# Allegro board T736_DEMO_DBOARD_V0-5-draft.brd (continued)
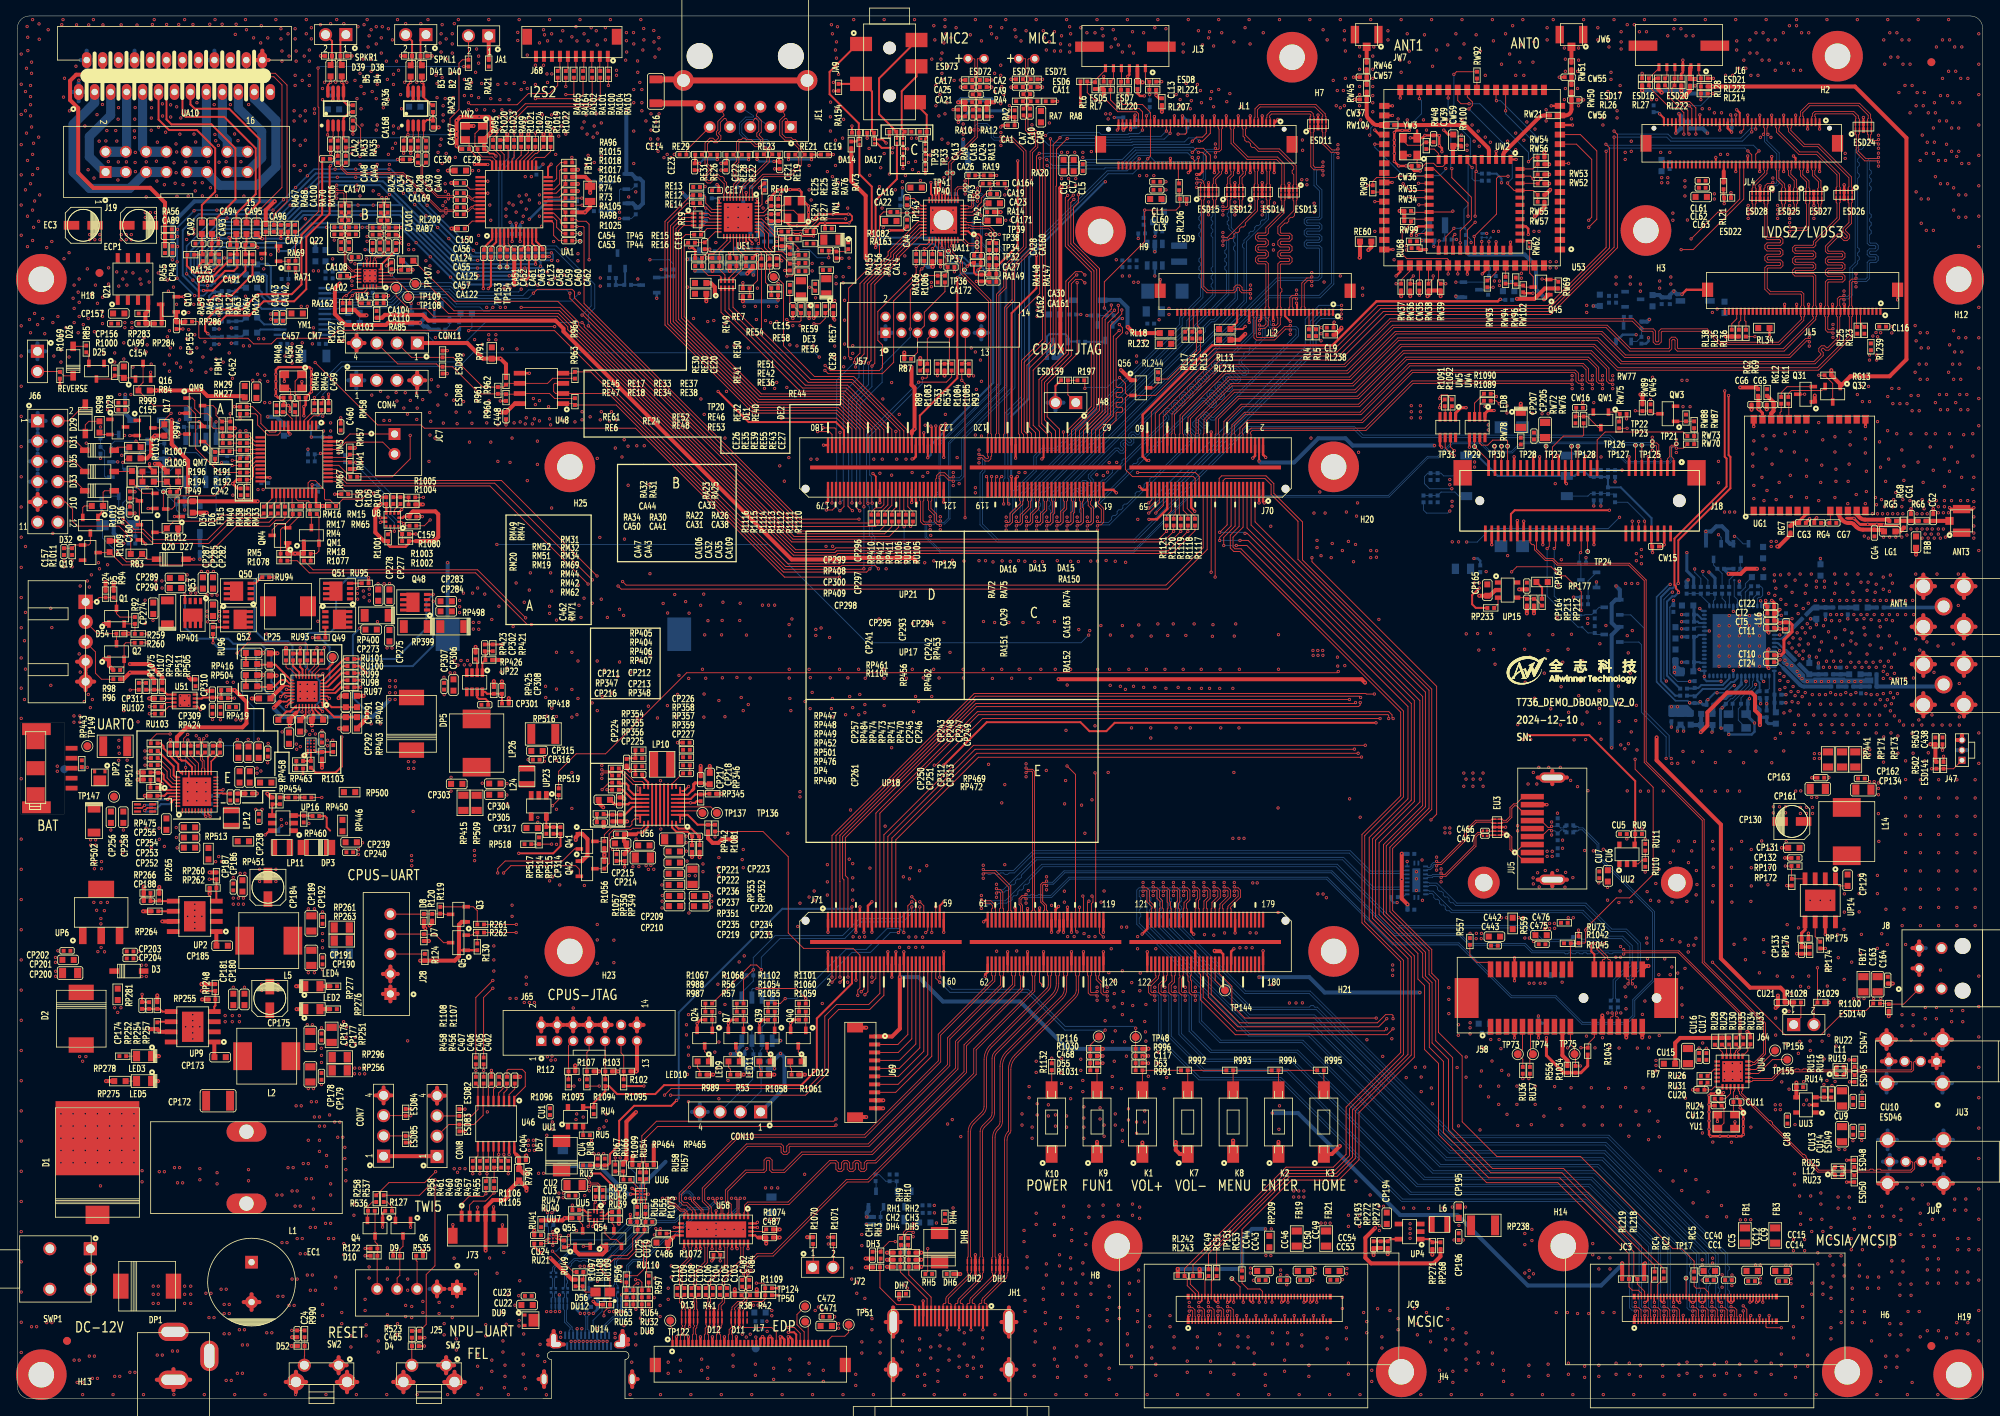
[diagram p0: board, top side]
## Routing (per net, layer and track width the routed paths; a pad name or vN(x,y) marks a point on that pad's centre or on a via; arc(x,y) is an arc through that point) (continued)
CPUS-TCK: length 4.8
  TOP w0.114: R1094.2 73.66,40.05 R103.1 73.63,41.05 J65.9
CPUS-TDO: length 5
  TOP w0.114: J65.11 75.63,43.33 75.96,43 R102.1 75.96,40.07 R1095.2
CPUS-TX: length 128.8
  TOP w0.114: R1077.2 37.04,103.89 57.65,103.89 v1(63.67,97.87) ; R261.2 v1(62.51,59.44) ; J71.8 v1(103.05,52.83)
  L3 w0.114: v1(103.05,52.83) 102.74,52.51 102.55,52.33 102.55,51.87 101.92,51.25 94.43,51.25 93.92,50.74 62.3,50.74 v1(61.72,50.16)
  L4 w0.114: v1(61.72,50.16) 61.89,50.33 61.89,58.81 v1(62.51,59.44) 63.67,60.6 63.67,74.87 65.12,76.32 65.12,81.3 63.67,82.75 v1(63.67,97.87)
CPUX-TCK: length 5.8
  TOP w0.114: R533.1 R534.1 R1084.2 116.76,130 J57.9
CPUX-TDI: length 11.3
  TOP w0.114: R87.1 112.76,131.13 J57.5 113.62,134.45 113.62,136.17 116.2,138.76 R1086.2
CPUX-TDO: length 5
  TOP w0.114: R93.1 R1085.2 118.76,130.15 J57.11
CPUX-TMS: length 5.4
  TOP w0.114: J57.7 114,132.83 R1083.2 113.95,129.71 R89.1
CS4361-MODE: length 29.8
  L3 w0.114: v1(48.12,136.79) 48.02,136.89 38.27,136.89 36.17,134.8 36.17,133.43 36.65,132.94 39.97,132.94 v1(40.25,132.66)
  BOTTOM w0.114: v1(48.12,136.79) 47.9,136.58 RL236.1 RL233.1 42.9,134.8 RL235.1 RL234.1 ; v1(40.25,132.66) 40.25,133.49 39.74,134 U57.9
CS4361-RST: length 30.2
  L3 w0.114: v1(40.84,132.66) 40.4,132.23 39.8,132.23 39.45,132.59 36.45,132.59 35.76,133.27 35.76,134.89 38.12,137.25 47.69,137.25 48.23,137.79 49.71,137.79 v1(50.24,137.26)
  BOTTOM w0.114: v1(40.84,132.66) 40.84,133.66 39.85,134.65 U57.8 ; Q47.3 51.82,137.12 51.53,136.82 RA145.1 50.68,136.82 v1(50.24,137.26)
CSN-VBUS: length 5.3
  TOP w0.203: UP21.1 38.22,86.91 38.39,86.73
  TOP w0.254: RP403.1 CP292.1 39.7,85.42 38.39,86.73
CSP-VBAT: length 22.5
  TOP w0.203: UP21.21 33.46,88.45 33.07,88.06 v1(32.97,87.99)
  L4 w0.305: v1(32.97,87.99) 31.88,87.99 31.17,88.7 28.98,88.7 25.22,92.46 20.47,92.46 16.99,95.94 v1(16.99,97.54)
CSP-VBUS: length 4.9
  TOP w0.203: UP21.2 38.56,87.65 38.79,87.43 38.79,87.25 39.01,87.02
  TOP w0.254: RP402.1 CP291.1 39.37,86.66 39.01,87.02
CTP0-INT: length 68.7
  TOP w0.114: v1(141.6,155.4) 141.95,155.74 JL1.63 141.95,161.2 140.94,162.21 138.53,162.21 138.26,162.48 RL220.1 ESD7.2 138.31,165.12 JL3.4 ; v1(124.21,112.14) 124.05,112.29 J70.109
  BOTTOM w0.114: v1(141.6,155.4) 139.74,153.53 136.64,153.53 126.18,143.06 126.18,125.45 124.09,123.37 124.09,115.35 124.21,115.24 v1(124.21,112.14)
CTP0-RST: length 66.4
  TOP w0.114: J70.111 v1(123.55,112.14) ; v1(141.86,163.45) 141.81,163.5 RL221.1 ESD8.2 141.31,165.57 JL3.1
  L4 w0.114: v1(141.86,163.45) 141.86,159.84 141.5,159.49 141.5,156.36 v1(140.54,155.4)
  BOTTOM w0.114: v1(140.54,155.4) 139.04,153.9 136.53,153.9 125.81,143.18 125.81,125.6 123.72,123.52 123.72,115.4 123.55,115.23 v1(123.55,112.14) ; RL40.2 v1(141.86,163.45)
CTP1-INT: length 180.2
  TOP w0.114: v1(210.27,158.5) JL4.63 210.27,161.79 209.5,162.56 208.28,162.56 207.26,163.57 207.26,164.25 RL222.1 ESD20.2 207.65,165.53 JL6.4 ; J71.29 108.55,70.67 119.77,81.89 v1(168.86,81.89)
  L4 w0.114: v1(168.86,81.89) 168.86,84.8 176.98,92.92 176.98,120.1 179.46,122.57 179.46,122.96 185.42,128.92 185.42,129.13 198.63,142.34 198.63,146.85 206.59,154.81 207.17,154.81 210.27,157.92 v1(210.27,158.5)
CTP1-RST: length 177
  TOP w0.114: v1(210.9,162.81) RL214.2 RL223.1 ESD21.2 210.9,165.78 210.65,166.03 JL6.1 ; v1(167.51,81.41) 167.48,81.39 119.98,81.39 109.05,70.46 J71.31
  L4 w0.114: v1(210.9,162.81) 197.49,149.4 197.49,143.43 179.61,125.55 179.61,124.56 178.43,123.38 178.43,123 175.95,120.52 175.95,93.35 167.51,84.9 v1(167.51,81.41)
CTP1-SCK: length 179.3
  TOP w0.114: v1(167.97,80.89) 120.19,80.89 109.55,70.26 J71.33 ; JL6.6 205.65,166.75 ESD17.2 RL26.1 204.39,164.42 207.01,161.8 208.15,161.8 208.77,161.18 JL4.69 v1(208.77,158.5)
  L4 w0.114: v1(208.77,158.5) 208.77,157.39 206.92,155.54 206.35,155.54 197.84,147.03 197.84,142.52 184.73,129.42 184.73,129.2 178.77,123.24 178.77,122.86 176.3,120.38 176.3,93.21 167.97,84.88 v1(167.97,80.89)
CTP1-SDA: length 178.2
  TOP w0.114: J71.35 110.05,70.05 120.4,80.39 168.36,80.39 v1(168.39,80.42) ; v1(209.42,158.5) 209.27,158.65 JL4.67 209.27,161.44 208.53,162.18 207.87,162.18 206.88,163.16 206.88,164.13 RL27.1 206.42,164.6 ESD16.2 206.65,165.72 JL6.5
  L4 w0.114: v1(209.42,158.5) 209.42,157.55 207.07,155.2 206.49,155.2 198.25,146.95 198.25,142.45 185.07,129.27 185.07,129.06 179.11,123.1 179.11,122.72 176.64,120.24 176.64,93.07 168.39,84.81 v1(168.39,80.42)
DCIN-12V: length 109.4
  TOP w0.508: RP275.2 v1(11.1,39.8) ; v1(130.81,151.89) 130.65,151.73 130.65,131.78 130.81,131.62 v1(130.81,131.32) ; R191.2 17.75,117.17 v1(17.22,117.17) ; RP248.2 v1(23.06,51.96) ; RP260.1 v1(24.08,65.96) ; RP345.1 v1(88.23,75.82)
  L3 w0.508: v1(88.23,75.82) 86.4,75.82 85.53,74.96 85.53,71.78 85.04,71.29 81.9,71.29 80.68,70.07 80.68,67.31 v1(79.72,66.35) ; v1(17.22,117.17) 17.22,118.59 16.71,119.1 14.88,119.1 14.22,119.76 v1(8.64,119.76)
  L4 w0.508: v1(175.69,50.9) 175.69,52.65 179.25,56.21 179.25,67.77 177.47,69.55 171.55,69.55 v1(168.22,72.87)
  BOTTOM w0.508: QL1.2 129.84,132.39 CL10.2 RL8.1 130.3,130.43 130.81,130.94 v1(130.81,131.32) ; v1(155.55,52.83) 161.85,52.83 163.78,50.9 v1(175.69,50.9)
  vias: v1(7.09,85.57) v1(7.09,84.79) v1(7.82,85.57) v1(7.82,84.79) v1(7.8,42.88) v1(8.18,42.29) v1(8.59,42.88) v1(9.65,67.31) v1(9.65,66.42) v1(10.54,67.31) v1(10.54,66.42) v1(13.46,134.87) v1(13.46,134.24) v1(14.35,134.87) v1(14.35,134.24) v1(26.04,48.01) v1(26.04,47.24) v1(26.92,48.01) v1(26.92,47.24) v1(27.05,62.74) v1(27.05,61.98) v1(27.69,62.74) v1(27.69,61.98) v1(27.81,48.01) v1(27.81,47.24) v1(28.32,62.74) v1(28.32,61.98) v1(48.98,79.84) v1(49,78.99) v1(49.7,79.82) v1(49.66,78.99) v1(78.77,66.8) v1(79.06,66.33) v1(79.36,66.83) v1(130.81,152.91) v1(131.7,152.91) v1(131.7,151.89) v1(132.59,152.91) v1(132.58,152.07) v1(174.62,124.46) v1(174.62,123.7) v1(174.62,122.94) v1(175.77,124.46) v1(175.77,123.7) v1(175.77,122.94) v1(181.2,78.41) v1(181.2,76.76) v1(181.48,77.65) v1(182.35,78.41) v1(182.35,76.76) v1(182.37,77.65) v1(183.26,77.65) v1(183.62,78.41) v1(183.62,76.76) v1(185.93,60.27) v1(186.54,60.27) v1(188.06,60.3) v1(188.65,60.3) v1(205.99,153.03) v1(205.99,152.4) v1(206.76,153.03) v1(206.76,152.4) v1(223.37,74.11) v1(223.37,73.35) v1(224.13,74.11) v1(224.13,73.35) v1(224.89,74.11) v1(224.89,73.35)
DP-AUXN-1: length 8.8
  TOP w0.102: JL7.16 89.57,8 89.47,8.1 89.47,8.52 89.83,8.88 89.83,9.15 89.92,9.25 D11.2 D11.9 89.92,11.1 89.83,11.2 89.83,11.34 90.37,11.89 90.98,11.89 91.4,12.31 91.4,12.58 R38.1 91.4,13.33 91.4,13.74 C484.2
DP-AUXN-C: length 95.6
  TOP w0.102: J71.86 127.55,53.08 127.46,52.98 127.46,51.05 120.12,43.71 120.12,40.64 106.63,27.15 103.97,27.15 94.69,17.87 92.77,17.87 91.4,16.5 91.4,15.79 v1(91.53,15.67) 91.4,15.54 91.4,15.17 C484.1
  L3 w0.102: v1(66.42,23.31) 66.56,23.17 66.56,22.01 64.9,20.35 64.9,15.43 66.79,13.54 79.68,13.54 80.52,14.38 90.87,14.38 91.39,14.9 91.39,15.53 v1(91.53,15.67)
  BOTTOM w0.102: C225.1 66.55,22.93 66.55,23.18 v1(66.42,23.31)
DP-AUXN-C-1: length 30.5
  TOP w0.114: UU7.A3 UU7.B3 v1(67.08,19.2) ; v1(77.44,14.91) 77.9,14.91 78.24,14.57 RU64.2 RU32.1 DU8.2 v1(78.24,11.2)
  L3 w0.114: v1(77.44,14.91) 77.04,15.32 70.36,15.32 68.45,17.22 68.45,18.14 67.39,19.2 v1(67.08,19.2)
  L4 w0.114: v1(72.38,7.18) 72.38,7.53 71.88,8.03 71.88,8.76 72.87,9.75 76.79,9.75 v1(78.24,11.2)
  BOTTOM w0.112: v1(72.38,7.18) JU2.B8
  BOTTOM w0.114: C225.2 66.52,21.5 66.52,20.68 67.08,20.12 v1(67.08,19.2)
DP-AUXP-1: length 8.8
  TOP w0.102: JL7.15 89.07,8 89.17,8.1 89.17,8.65 89.52,9 89.52,9.15 89.42,9.25 D11.1 D11.10 89.42,11.1 89.52,11.2 89.52,11.47 90.25,12.19 90.85,12.19 91.1,12.43 91.1,12.58 R41.2 91.1,13.33 91.1,13.74 C482.2
DP-AUXP-C: length 95.5
  TOP w0.102: J71.84 127.05,53.08 127.15,52.98 127.15,51.18 119.81,43.84 119.81,40.77 106.5,27.46 103.85,27.46 94.56,18.17 92.65,18.17 91.1,16.62 91.1,15.79 v1(90.97,15.67) 91.1,15.54 91.1,15.17 C482.1
  L3 w0.102: v1(90.97,15.67) 91.11,15.53 91.11,15.01 90.75,14.66 86.85,14.66 86.67,14.83 86.37,14.83 86.19,14.66 85.5,14.66 85.33,14.83 85.02,14.83 84.85,14.66 83.99,14.66 83.82,14.83 83.51,14.83 83.34,14.66 80.4,14.66 79.56,13.82 71.22,13.82 71.04,13.99 70.74,13.99 70.56,13.82 70.23,13.82 70.06,13.99 69.75,13.99 69.58,13.82 69.27,13.82 69.1,13.99 68.79,13.99 68.62,13.82 66.9,13.82 65.18,15.54 65.18,20.23 66.84,21.89 66.84,23.17 v1(66.98,23.31)
  BOTTOM w0.102: v1(66.98,23.31) 66.85,23.18 66.85,22.93 C224.1
DP-AUXP-C-1: length 30.1
  TOP w0.114: v1(77.5,11.2) 77.16,11.54 DU14.2 77.16,12.22 RU65.1 RU63.2 77.16,14.09 77.52,14.45 v1(77.72,14.45) ; UU7.A1 UU7.B1 v1(67.08,20.93)
  L3 w0.114: v1(77.72,14.45) 77.99,14.71 77.99,15.18 77.5,15.67 70.56,15.67 68.81,17.42 68.81,18.36 67.08,20.09 v1(67.08,20.93)
  L4 w0.114: v1(70.71,8.76) 70.82,8.76 72.95,10.9 73.56,10.9 74.24,10.21 76.5,10.21 v1(77.5,11.2)
  BOTTOM w0.114: C224.2 66.87,21.48 66.87,21.15 v1(67.08,20.93) ; JU2.A8 70.63,8.68 v1(70.71,8.76)
DP-TX0N-1: length 6.6
  TOP w0.102: JL7.12 87.57,8 87.67,8.1 87.67,8.83 87.86,9.02 87.86,9.17 87.76,9.26 D12.9 D12.2 87.76,11.12 87.86,11.21 87.86,11.74 88.3,12.18 88.3,12.72 C105.2
DP-TX0P-1: length 6.6
  TOP w0.102: JL7.13 88.07,8 87.97,8.1 87.97,8.7 88.17,8.9 88.17,9.17 88.27,9.26 D12.10 D12.1 88.27,11.12 88.17,11.21 88.17,11.61 88.61,12.05 88.61,12.72 C103.2
DP-TX1N-1: length 6.5
  TOP w0.102: JL7.9 86.07,8 86.17,8.1 86.17,8.83 86.36,9.02 86.36,9.17 86.27,9.26 D12.6 D12.5 86.27,11.12 86.36,11.21 86.36,12.02 86.53,12.18 86.53,12.72 C106.2
DP-TX1P-1: length 6.5
  TOP w0.102: C104.2 86.83,12.72 86.83,12.05 86.67,11.89 86.67,11.21 86.76,11.12 D12.4 D12.7 86.76,9.26 86.67,9.17 86.67,8.9 86.47,8.7 86.47,8.1 86.57,8 JL7.10
DP-TX2N-1: length 6.4
  TOP w0.102: C108.2 84.75,12.72 84.75,12.05 84.81,11.98 84.81,11.21 84.72,11.12 D13.2 D13.9 84.72,9.26 84.81,9.17 84.81,9.02 84.67,8.88 84.67,8.1 84.57,8 JL7.6
DP-TX2P-1: length 6.4
  TOP w0.102: JL7.7 85.07,8 84.97,8.1 84.97,8.75 85.12,8.9 85.12,9.17 85.22,9.26 D13.10 D13.1 85.22,11.12 85.12,11.21 85.12,12.11 85.05,12.18 85.05,12.72 C107.2
DP-TX3N-1: length 6.5
  TOP w0.102: JL7.3 83.07,8 83.17,8.1 83.17,8.88 83.31,9.02 83.31,9.17 83.22,9.26 D13.6 D13.5 83.22,11.12 83.31,11.21 83.31,11.68 82.97,12.03 82.97,12.72 C110.2
DP-TX3P-1: length 6.5
  TOP w0.102: C109.2 83.27,12.72 83.27,12.15 83.62,11.81 83.62,11.21 83.72,11.12 D13.4 D13.7 83.72,9.26 83.62,9.17 83.62,8.9 83.47,8.75 83.47,8.1 83.57,8 JL7.4
DRV: length 1.5
  TOP w0.114: UU4.21 212.55,41.26 RU26.2
DSP-OUTLF: length 50.8
  TOP w0.254: RA59.1 22.81,142.15 22.81,141.99 v1(22.58,141.76) ; CA58.2 63.07,143.11 63.07,141.29 v1(63.14,141.22)
  BOTTOM w0.254: v1(63.14,141.22) 55.75,141.22 48.13,148.84 35.64,148.84 33.38,146.58 25.66,146.58 22.58,143.5 v1(22.58,141.76)
DSP-OUTLR: length 50.3
  TOP w0.254: v1(63.14,140.26) 63.8,140.26 64.08,140.54 64.08,143.12 CA59.2 ; v1(23.52,141.84) RA61.1
  BOTTOM w0.254: v1(63.14,140.26) 55.32,140.26 48.26,147.32 36.88,147.32 34.42,144.86 25.35,144.86 23.52,143.02 v1(23.52,141.84)
DSP-OUTRF: length 70.5
  TOP w0.254: v1(66.62,143.15) 65.84,143.15 CA62.2 ; v1(23.32,138.89) 24.46,138.89 26.06,140.49 27.69,140.49 28.57,141.38 RA64.1
  BOTTOM w0.254: v1(23.32,138.89) 22.62,138.89 20.72,140.79 20.72,146.46 22.71,148.45 32.27,148.45 37.39,153.57 46.63,153.57 57.05,143.15 v1(66.62,143.15)
DSP-OUTRR: length 62.6
  TOP w0.254: v1(23.32,140.03) 24.71,140.03 26.03,141.35 27.11,141.35 27.56,141.8 RA63.1 ; v1(64.92,142.19) 64.91,142.2 CA60.2
  BOTTOM w0.254: v1(23.32,140.03) 22.91,140.03 21.71,141.23 21.71,143.86 25.34,147.49 32.88,147.49 37.97,152.58 45.81,152.58 56.2,142.19 v1(64.92,142.19)
DSP-SCK: length 6.4
  TOP w0.114: R74.2 v1(70.71,150.47)
  L3 w0.114: v1(73.03,151.89) 73.03,151.26 72.24,150.47 v1(70.71,150.47)
  BOTTOM w0.114: Q25.3 73.09,152.55 R72.1 73.07,151.94 v1(73.03,151.89)
DSP-SDA: length 5.6
  TOP w0.114: R73.2 v1(70.74,149.58)
  L3 w0.114: v1(73.11,149.48) 73.01,149.58 v1(70.74,149.58)
  BOTTOM w0.114: v1(73.11,149.48) 73.07,149.44 R71.1 74.31,148.84 Q26.3
DSP-XTI: length 7.2
  TOP w0.114: UA1.35 59.98,155.13 59.5,155.63 58.23,155.64 57.64,156.25 CE29.2 57.64,156.76 57.31,157.1 57.33,158.16 57.33,158.55 YN2.1
DSP-XTO: length 5.4
  TOP w0.114: YN2.3 56.59,157.28 CE30.2 57.2,156.01 57.2,155.98 57.86,155.29 59.22,155.27 59.48,155 UA1.36
EDP-HPD: length 72.6
  TOP w0.114: JL7.27 95.07,8.36 94.51,8.92 91.04,8.92 90.93,9.03 D11.4 D11.7 90.93,11.04 92.05,12.17 93.34,12.17 93.68,12.5 R42.2 R1109.1 93.68,14.27 93.47,14.48 v1(92.58,14.48) ; v1(128.45,51.82) 128.05,52.21 J71.88
  L3 w0.114: v1(128.45,51.82) 123.39,46.76 123.39,44.63 103.33,24.56 103.33,19.41 101.83,17.91 97.51,17.91 94.08,14.48 v1(92.58,14.48)
EDP-SEL: length 20.5
  TOP w0.114: v1(101.6,19.39) R1071.2 102.23,16.54 J72.2 ; v1(88.05,17.27) R1072.2 87.53,18.56 U58.30
  L3 w0.114: v1(101.6,19.39) 97.69,19.39 95.57,17.27 v1(88.05,17.27)
EDP-TX0N: length 6.8
  TOP w0.102: U58.36 90.53,19.06 90.63,18.96 90.63,17.39 88.3,15.06 88.3,14.15 C105.1
EDP-TX0P: length 6.8
  TOP w0.102: U58.37 91.03,19.06 90.93,18.96 90.93,17.26 88.61,14.94 88.61,14.15 C103.1
EDP-TX1N: length 6.7
  TOP w0.102: C106.1 86.53,14.15 86.53,14.71 88.63,16.81 88.63,18.96 88.53,19.06 U58.32
EDP-TX1P: length 6.7
  TOP w0.102: C104.1 86.83,14.15 86.83,14.58 88.93,16.68 88.93,18.96 89.03,19.06 U58.33
EDP-TX2N: length 6.4
  TOP w0.102: U58.27 86.03,19.06 86.13,18.96 86.13,17.17 84.75,15.79 84.75,14.15 C108.1
EDP-TX2P: length 6.4
  TOP w0.102: U58.28 86.53,19.06 86.43,18.96 86.43,17.04 85.05,15.66 85.05,14.15 C107.1
EDP-TX3N: length 6.3
  TOP w0.102: C110.1 82.97,14.15 82.97,16.55 84.13,17.71 84.13,18.96 84.03,19.06 U58.23
EDP-TX3P: length 6.3
  TOP w0.102: U58.24 84.53,19.06 84.43,18.96 84.43,17.58 83.27,16.42 83.27,14.15 C109.1
EPHY-CLK-25M: length 41.4
  TOP w0.114: v1(95.71,122.89) 102.64,122.89 104.05,121.47 J70.170 ; v1(95.63,151) 95.33,150.7 RE25.1
  L4 w0.114: v1(95.63,151) 95.5,150.88 95.5,146.18 96.01,145.67 96.01,144.53 94.23,142.75 94.23,141.43 95.76,139.91 95.76,122.94 v1(95.71,122.89)
EXT-3V3: length 48.9
  TOP w0.305: 49.9,107.49 R1002.1 49.05,107.19 48.64,106.78 46.67,106.78 46.44,107.01 R1001.1 ; U8.7 46.23,112.13 C158.2 v1(45.52,112.14) ; C159.2 48.41,110.55 48.26,110.4 U8.3
  TOP w0.508: C159.2 49.13,110.78 49.56,111.21 52.37,111.21 52.73,110.85 52.73,107.99 52.22,107.49 49.9,107.49 ; v1(45.52,112.14) 44.84,111.47 44.84,108.57 45.93,107.49 R1001.1 ; D36.2 21.96,112.46 FB15.2 v1(30.1,112.47)
  L4 w0.508: v1(45.52,112.14) 45.16,112.5 35.69,112.5 35.66,112.47 v1(30.1,112.47)
FM-DSP-L: length 2.5
  TOP w0.254: UA1.1 59.49,146.09 59.49,145.31 58.98,144.8 58.43,144.24 CA51.2
FM-DSP-R: length 2.4
  TOP w0.254: CA52.2 59.32,144.28 59.99,144.96 59.99,145.3 59.99,146.09 UA1.2
FM-OUT-L: length 215.2
  TOP w0.254: v1(208.07,102.18) 208.07,107.58 214.6,114.11 214.6,118.03 214.37,118.27 v1(214.37,125.73) ; v1(58.37,139.13) 58.37,143.07 CA51.1
  L3 w0.254: v1(214.37,125.73) 213.41,125.73 204.9,134.24 180.77,134.24 178,131.47 172.75,131.47 169.39,128.11 139.83,128.11 139.01,128.93 139.01,130.63 138.18,131.47 131.34,131.47 131.01,131.8 130.21,131.8 125.48,136.53 108.37,136.53 107.76,135.92 80.51,135.92 78.91,137.52 59.92,137.52 58.37,139.07 v1(58.37,139.13)
  BOTTOM w0.254: v1(208.07,102.18) 207.97,102.18 207.36,101.57 207.01,101.57 205.89,100.46 205.89,89.92 207.69,88.11 RT2.2
FM-OUT-R: length 214.2
  TOP w0.254: v1(208.1,101.04) 208.1,101.22 207.77,101.55 207.77,101.8 207.59,101.98 207.59,107.79 214.12,114.32 214.12,117.83 213.89,118.07 v1(213.89,126.31) ; v1(58.99,139.13) 59.33,139.47 CA52.1
  L3 w0.254: v1(58.99,139.13) 60.07,138.05 79.25,138.05 80.9,136.4 107.56,136.4 108.17,137.01 125.71,137.01 130.43,132.28 131.21,132.28 131.54,131.95 138.38,131.95 139.5,130.83 139.5,129.13 140.03,128.6 169.19,128.6 172.55,131.95 177.8,131.95 180.6,134.75 207.9,134.75 213.89,128.75 v1(213.89,126.31)
  BOTTOM w0.254: RT1.2 208.28,89 206.65,90.63 206.65,99.9 207.31,100.56 207.62,100.56 v1(208.1,101.04)
FM-SCK: length 4.1
  BOTTOM w0.114: RT3.2 214.45,102.62 RT7.1 215.84,105.11 Q27.3
FM-SDA: length 3.9
  BOTTOM w0.114: RT4.2 213.56,103.41 RT8.1 212.5,104.48 Q28.3
GATEB: length 21.5
  TOP w0.254: Q48.4 v1(52.09,100.8) ; RU99.2 v1(43,90.93) ; RU97.2 v1(43,89.15) ; RU101.2 v1(43,92.71)
  BOTTOM w0.254: v1(52.09,100.8) 51.23,99.94 51.23,96.56 47.39,92.71 v1(43,92.71) v1(43,90.93) 42.52,90.45 42.52,89.64 v1(43,89.15)
GPADC3: length 13.5
  TOP w0.114: J69.2 110.3,44.39 111.55,45.64 J71.42
GPADC4: length 14.7
  TOP w0.114: J71.44 112.05,45.1 110.35,43.39 J69.3
GPADC5: length 16
  TOP w0.114: J71.46 112.55,44.46 110.49,42.39 J69.4
GPADC6: length 17.2
  TOP w0.114: J69.5 110.48,41.39 113.05,43.97 J71.48
GPADC7: length 18.3
  TOP w0.114: J71.50 113.55,43.55 110.4,40.39 J69.6
GPADC8: length 19.5
  TOP w0.114: J71.52 114.05,43.12 110.33,39.39 J69.7
GPADC9: length 20.6
  TOP w0.114: J69.8 110.03,38.39 114.55,42.91 J71.54
GPIOA8-RX: length 1.7
  TOP w0.114: UW2.30 v1(184.35,145.01)
  BOTTOM w0.114: v1(184.35,145.01) 184.35,145.31 T115.1
GPIOA9-TX: length 2.2
  TOP w0.114: UW2.29 v1(183.45,145.02)
  BOTTOM w0.114: T112.1 184.07,145.55 RW33.1 183.44,145.03 v1(183.45,145.02)
GPS-RESETN: length 2.6
  TOP w0.114: RG4.1 CG7.1 227.12,109.87 UG1.8
GPS-RXD0: length 5.5
  TOP w0.114: Q32.2 226.47,126.77 226.06,126.36 222.25,126.36 221.85,125.97 RG11.1
GPS-TXD0: length 4.9
  TOP w0.114: Q31.2 221.71,126.84 220.96,126.1 RG12.1
GSENSOR-INT1: length 1.5
  TOP w0.114: U8.5 47.22,111.37 R104.1
GSENSOR-INT2: length 1.3
  TOP w0.114: R105.1 46.73,111.77 U8.6
HBIAS: length 32.8
  TOP w0.254: v1(117.75,140.51) 117.75,127.91 113.05,123.21 J70.134 ; UA11.2 119.1,146.33 119.48,145.95 120.42,145.95 120.75,145.62 120.75,143.31 CA27.1 RA149.2 120.69,141.8 v1(120.35,141.45)
  BOTTOM w0.254: v1(117.75,140.51) 118.29,141.05 119.94,141.05 v1(120.35,141.45)
HCEC: length 58.5
  TOP w0.102: v1(114.05,18.8) 114.05,15.92 RH5.1 ; v1(136.53,50.47) 136.41,50.6 136.02,50.6 135.74,50.88 135.74,51.92 135.15,52.5 135.15,52.98 135.05,53.08 J71.116
  L4 w0.102: v1(114.05,18.8) 112.25,19.19 112.17,19.31 112.2,19.42 112.31,19.53 118.21,19.53 118.5,19.82 118.75,19.82 118.97,20.04 118.97,20.29 124.08,25.4 124.08,42.42 130.05,48.39 135.38,48.39 136.02,49.02 136.02,50.48 136.14,50.61 136.39,50.61 v1(136.53,50.47)
HD1: length 12.7
  TOP w0.203: v1(38.23,86.13) 37.72,86.64 UP21.32
  TOP w0.254: RU93.1 v1(36.97,95.39)
  BOTTOM w0.254: v1(38.23,86.13) 38.23,86.74 38.46,86.97 38.46,89.56 39.12,90.22 39.12,94.18 37.91,95.39 v1(36.97,95.39)
HD2: length 24.1
  TOP w0.203: UP21.24 34.16,87.25 33.71,86.79 v1(33.71,86.74)
  TOP w0.254: RU94.1 v1(32.19,102.96)
  BOTTOM w0.254: v1(32.19,102.96) 31.98,103.17 30.43,103.17 29.71,102.45 29.71,96.33 31.09,94.95 33.91,94.95 34.47,94.39 34.47,87.55 v1(33.71,86.74)
HDMI-SCL: length 10.1
  TOP w0.114: RH10.2 111.67,19.19 RH2.1 CH3.2 DH5.2 111.67,15.52 114.47,12.72 JH1.15
HDMI-SDA: length 10.3
  TOP w0.114: JH1.16 113.97,12.52 110.62,15.88 DH4.2 CH2.2 RH1.1 110.62,19.19 RH9.2
HHPD: length 58.4
  TOP w0.102: v1(136.53,51.03) 136.41,50.9 136.15,50.9 136.05,51 136.05,52.04 135.46,52.63 135.46,52.98 135.55,53.08 J71.118 ; CH1.2 RH3.1 108.15,18.61 109.22,19.68 v1(109.98,19.68)
  L4 w0.102: v1(136.53,51.03) 136.39,50.89 136.03,50.89 135.74,50.6 135.74,49.14 135.27,48.67 129.93,48.67 123.8,42.53 123.8,25.52 118.1,19.81 112.2,19.81 111.93,19.55 111.93,19.51 111.9,19.37 111.78,19.29 v1(109.98,19.68)
HP-DET: length 58.2
  TOP w0.203: UA11.35 v1(115.83,144.27)
  TOP w0.254: J70.130 v1(114.05,117.93) ; v1(107.04,145.8) 107.04,151.92 105.49,153.47 RA76.1
  BOTTOM w0.254: v1(107.04,145.8) 107.31,145.52 114.94,145.52 115.83,144.62 v1(115.83,144.27) 117.07,143.03 118.59,143.03 119.43,142.19 120.45,142.19 122.25,140.39 122.25,127.33 114.43,119.51 114.43,118.31 v1(114.05,117.93)
HP-DET-1: length 16.6
  TOP w0.254: RA94.1 105.08,157.57 105.22,157.71 105.42,157.71 RA76.2 105.4,157.86 DA14.2 105.41,158.68 105.41,159.84 101.75,163.5 101.75,166.29 105.25,169.79 JA9.1
HP-MIC: length 213.9
  TOP w0.254: RA148.2 121.75,141.02 CA30.1 121.69,140.89 CA162.1 120.1,140.89 119.84,141.14 RA149.1 119.46,142.37 119.03,141.94 v1(119,141.94) ; RA72.1 110.19,152.86 107.52,150.19 v1(107.52,144.27) ; RU21.2 64.75,19.09 65.56,18.29 v1(65.68,18.29) ; v1(113.55,121.06) J70.132
  L3 w0.254: v1(113.55,121.06) 113.46,121.15 113.46,121.59 112.54,122.52 97.39,122.52 96.31,121.44 94.24,121.44 93.88,121.8 82.63,121.8 79.06,118.23 76.23,118.23 75.94,118.51 75.55,118.51 v1(74.9,119.15)
  L4 w0.254: v1(107.52,144.27) 107.52,140.23 105.28,138 105.28,131.87 108.43,128.72 108.43,126.52 113.55,121.4 v1(113.55,121.06) ; v1(74.9,119.15) 74.9,117.3 65.3,107.69 65.3,83.42 66.57,82.15 66.57,75.61 65.86,74.9 65.86,70.3 65.3,69.74 65.3,48.79 64.26,47.75 64.26,43.69 67.56,40.39 67.56,31.39 66.42,30.25 66.42,25.4 65.58,24.56 65.58,18.39 v1(65.68,18.29)
  BOTTOM w0.254: v1(119,141.94) 118.57,142.37 116.92,142.37 115.34,143.94 115.34,144.17 114.81,144.7 107.95,144.7 v1(107.52,144.27)
HP-MIC-N: length 46.2
  TOP w0.254: RA154.2 105.69,164.79 JA9.3 106.1,164.79 107.06,163.83 107.06,158.92 DA17.2 107.34,158.64 RA73.2 108.38,157.83 v1(108.84,157.37) ; v1(125.32,155.14) 125.32,144.53 122.88,142.08 RA147.2 122.64,142.07 CA30.2 CA161.1
  L3 w0.254: v1(108.84,157.37) 115.55,157.37 117.78,155.14 v1(125.32,155.14)
HPOUTFB: length 204.3
  TOP w0.203: 115.03,150.82 UA11.18
  TOP w0.254: v1(115.05,152.43) 115.05,150.85 115.03,150.82 ; v1(69.09,19.2) 68.87,18.98 RU49.2 ; v1(109.68,156.77) 108.28,156.77 107.72,157.33 RA73.1 ; J70.126 v1(115.05,121.91)
  L3 w0.254: v1(77.6,119.43) 82.5,124.33 112.77,124.33 114.14,122.96 114.15,122.96 114.91,122.21 114.91,122.05 v1(115.05,121.91)
  L4 w0.254: v1(69.09,19.2) 69.57,19.68 69.57,23.62 70.48,24.53 70.48,33.02 71.86,34.39 71.86,36.56 71.4,37.01 71.4,41.6 71.86,42.05 71.86,43.3 70.7,44.46 70.7,47.23 73.61,50.14 73.61,60.17 68.5,65.27 68.5,101.75 77.6,110.84 v1(77.6,119.43) ; v1(115.05,121.91) 115.05,123.21 110.49,127.77 110.49,128.72 106.86,132.34 106.86,137.09 110.21,140.44 110.21,148.71 112.48,150.98 113.66,150.98 114.56,151.88 114.59,151.88 115.05,152.34 v1(115.05,152.43) 115.05,154.24 112.14,157.15 110.06,157.15 v1(109.68,156.77)
HPOUTFB-C: length 1.1
  TOP w0.114: 67.92,19.99 67.56,19.99 UU7.A2
  TOP w0.254: RU49.1 68.08,19.83 67.92,19.99
HPOUTL: length 196.6
  TOP w0.203: 115.43,150.73 UA11.17
  TOP w0.254: v1(114.35,155.88) CA163.1 113.74,155.88 RA74.1 ; 115.43,150.73 115.43,151.44 115.6,151.61 v1(115.6,152.58) ; v1(115.7,121.89) 115.55,121.75 J70.124 ; RU47.2 v1(69.53,24.26)
  L3 w0.254: v1(115.7,121.89) 115.7,122 115.39,122.3 115.39,122.41 114.35,123.44 114.34,123.44 112.97,124.82 81.94,124.82 v1(76.5,119.38)
  L4 w0.254: v1(69.53,24.26) 69.95,24.68 69.95,33.43 71.37,34.85 71.37,36.36 70.92,36.81 70.92,42.24 68.7,44.45 68.7,47.23 73.13,51.66 73.13,59.97 68.02,65.07 68.02,102.15 77.04,111.17 77.04,118.85 v1(76.5,119.38) ; v1(115.7,121.89) 115.7,123.25 110.97,127.97 110.97,128.92 107.35,132.54 107.35,136.88 110.69,140.23 110.69,148.51 112.68,150.5 113.86,150.5 114.76,151.4 114.79,151.4 115.6,152.2 v1(115.6,152.58) 115.6,154.63 v1(114.35,155.88)
HPOUTL-1: length 6
  TOP w0.254: JA9.4 112.44,162.38 113.92,160.91 113.92,158.81 DA15.2 113.91,158.09 RA150.1 113.74,157.15 RA74.2
HPOUTL-C: length 1.4
  TOP w0.203: UU5.3 71.3,23.34 71.12,23.52
  TOP w0.254: RU47.1 70.99,23.65 71.12,23.52
HPOUTR: length 194.3
  TOP w0.203: 114.57,150.88 114.63,150.82 UA11.19
  TOP w0.254: RA75.1 110.95,156.64 CA29.1 v1(111.53,156.64) ; RU48.2 75.35,25.92 73.05,28.22 v1(71.96,28.22) ; J70.128 114.55,121.77 v1(114.43,121.89) ; v1(114.45,152.43) 114.45,150.99 114.57,150.88
  L3 w0.254: v1(78.54,119.43) 82.96,123.85 112.57,123.85 113.94,122.48 113.95,122.48 114.43,122.01 v1(114.43,121.89)
  L4 w0.254: v1(114.43,121.89) 114.43,123.15 110.01,127.57 110.01,128.52 106.25,132.27 106.25,137.16 109.73,140.64 109.73,148.91 112.28,151.46 113.46,151.46 114.42,152.43 v1(114.45,152.43) 114.45,153.82 111.63,156.64 v1(111.53,156.64) ; v1(71.96,28.22) 71.17,29.01 71.17,32.89 72.39,34.11 72.39,36.71 71.88,37.21 71.88,41.4 72.39,41.9 72.39,44.15 72.7,44.46 72.7,47.23 74.09,48.63 74.09,60.37 68.99,65.47 68.99,101.37 78.54,110.92 v1(78.54,119.43)
HPOUTR-1: length 10.1
  TOP w0.254: RA75.2 110.95,158.59 DA13.2 110.79,159.17 110.79,163.88 112.64,165.73 JA9.2
HPOUTR-C: length 1.5
  TOP w0.203: UU5.9 73.66,22.94 73.86,23.14
  TOP w0.254: 73.86,23.14 74.12,23.39 RU48.1
HS-MIC-1: length 15.3
  TOP w0.254: JA9.5 112.64,170.18 107.95,165.48 107.95,161 109.78,159.17 109.78,159.12 DA16.2 110.19,158.72 RA72.2
HS-MIC-C: length 1.2
  TOP w0.114: RU21.1 66.45,19.43 UU7.C3
HSCL: length 52.1
  TOP w0.102: v1(135.26,50.47) 135.14,50.6 134.39,50.6 134.15,50.84 134.15,52.98 134.05,53.08 J71.112 ; RH10.1 111.3,20.41 111.3,20.73 111.53,20.95 112.1,20.95 v1(112.22,20.83)
  L4 w0.102: v1(112.22,20.83) 112.36,20.97 117.62,20.97 122.64,25.99 122.64,43.01 130.24,50.61 135.12,50.61 v1(135.26,50.47)
HSDA: length 52.1
  TOP w0.102: RH9.1 110.99,20.41 110.99,20.85 111.4,21.26 112.1,21.26 v1(112.22,21.39) ; v1(135.26,51.03) 135.14,50.9 134.52,50.9 134.46,50.97 134.46,52.98 134.55,53.08 J71.114
  L4 w0.102: v1(112.22,21.39) 112.36,21.25 117.5,21.25 122.36,26.11 122.36,43.13 130.12,50.89 135.12,50.89 v1(135.26,51.03)
HTX0N: length 49.3
  TOP w0.102: J71.96 130.05,53.08 130.15,52.98 130.15,52.01 arc(130,51.25) 129.57,50.61 122.45,43.49 arc(122.19,43.1) 122.1,42.65 122.1,35.82 arc(122.03,35.44) 121.81,35.12 120.93,34.24 arc(120.69,33.88) 120.61,33.46 120.61,17.77 120.51,17.68 DH2.2 DH2.9 120.51,15.82 120.61,15.72 120.61,15.24 arc(120.6,15.2) 120.58,15.17 117.94,12.53 arc(117.85,12.39) 117.82,12.24 117.82,12.02 117.72,11.92 117.57,11.92 117.47,11.81 JH1.9
HTX0P: length 49.3
  TOP w0.102: J71.98 130.55,53.08 130.46,52.98 130.46,52.01 arc(130.28,51.13) 129.79,50.39 122.67,43.27 arc(122.48,42.99) 122.41,42.65 122.41,35.82 arc(122.31,35.33) 122.03,34.91 121.15,34.02 arc(120.97,33.77) 120.91,33.46 120.91,17.77 121.01,17.68 DH2.1 DH2.10 121.01,15.82 120.91,15.72 120.91,15.24 arc(120.88,15.08) 120.79,14.95 118.15,12.31 arc(118.13,12.28) 118.12,12.24 118.12,12.02 118.22,11.92 118.37,11.92 118.47,11.81 JH1.7
HTX1N: length 49
  TOP w0.102: J71.100 131.05,53.08 131.15,52.98 131.15,51.34 arc(131.05,50.82) 130.75,50.37 123.88,43.5 arc(123.31,42.64) 123.1,41.63 123.1,34.75 arc(123.04,34.41) 122.84,34.12 122.66,33.93 arc(122.3,33.4) 122.18,32.77 122.18,17.77 122.08,17.68 DH1.5 DH1.6 122.08,15.82 122.18,15.72 122.18,15.48 arc(122.16,15.38) 122.09,15.29 119.44,12.63 arc(119.35,12.5) 119.32,12.33 119.32,12.02 119.21,11.92 119.07,11.92 118.97,11.81 JH1.6
HTX1P: length 49
  TOP w0.102: J71.102 131.55,53.08 131.46,52.98 131.46,51.34 arc(131.33,50.7) 130.97,50.16 124.09,43.28 arc(123.59,42.53) 123.41,41.63 123.41,34.75 arc(123.32,34.29) 123.06,33.9 122.87,33.72 arc(122.58,33.29) 122.48,32.77 122.48,17.77 122.58,17.68 DH1.4 DH1.7 122.58,15.82 122.48,15.72 122.48,15.48 arc(122.44,15.26) 122.31,15.07 119.66,12.42 arc(119.63,12.38) 119.62,12.33 119.62,12.02 119.72,11.92 119.87,11.92 119.97,11.81 JH1.4
HTX2N: length 49.1
  TOP w0.102: JH1.3 120.47,11.81 120.57,11.92 120.72,11.92 120.82,12.02 120.82,12.32 arc(120.85,12.47) 120.94,12.61 123.64,15.31 arc(123.67,15.35) 123.68,15.4 123.68,15.72 123.58,15.82 DH1.9 DH1.2 123.58,17.68 123.68,17.77 123.68,32.41 arc(123.79,33) 124.12,33.5 124.13,33.5 arc(124.15,33.53) 124.16,33.57 124.16,41.22 arc(124.35,42.21) 124.91,43.05 132.35,50.48 arc(132.57,50.82) 132.65,51.21 132.65,52.98 132.55,53.08 J71.106
HTX2P: length 49.1
  TOP w0.102: JH1.1 121.47,11.81 121.37,11.92 121.22,11.92 121.12,12.02 121.12,12.32 arc(121.13,12.36) 121.15,12.39 123.86,15.09 arc(123.95,15.23) 123.98,15.4 123.98,15.72 124.08,15.82 DH1.10 DH1.1 124.08,17.68 123.98,17.77 123.98,32.41 arc(124.07,32.88) 124.34,33.28 arc(124.43,33.41) 124.46,33.57 124.46,41.22 arc(124.63,42.09) 125.13,42.83 132.56,50.27 arc(132.85,50.7) 132.96,51.21 132.96,52.98 133.05,53.08 J71.108
